# KiCad board nyx.kicad_pcb (continued)
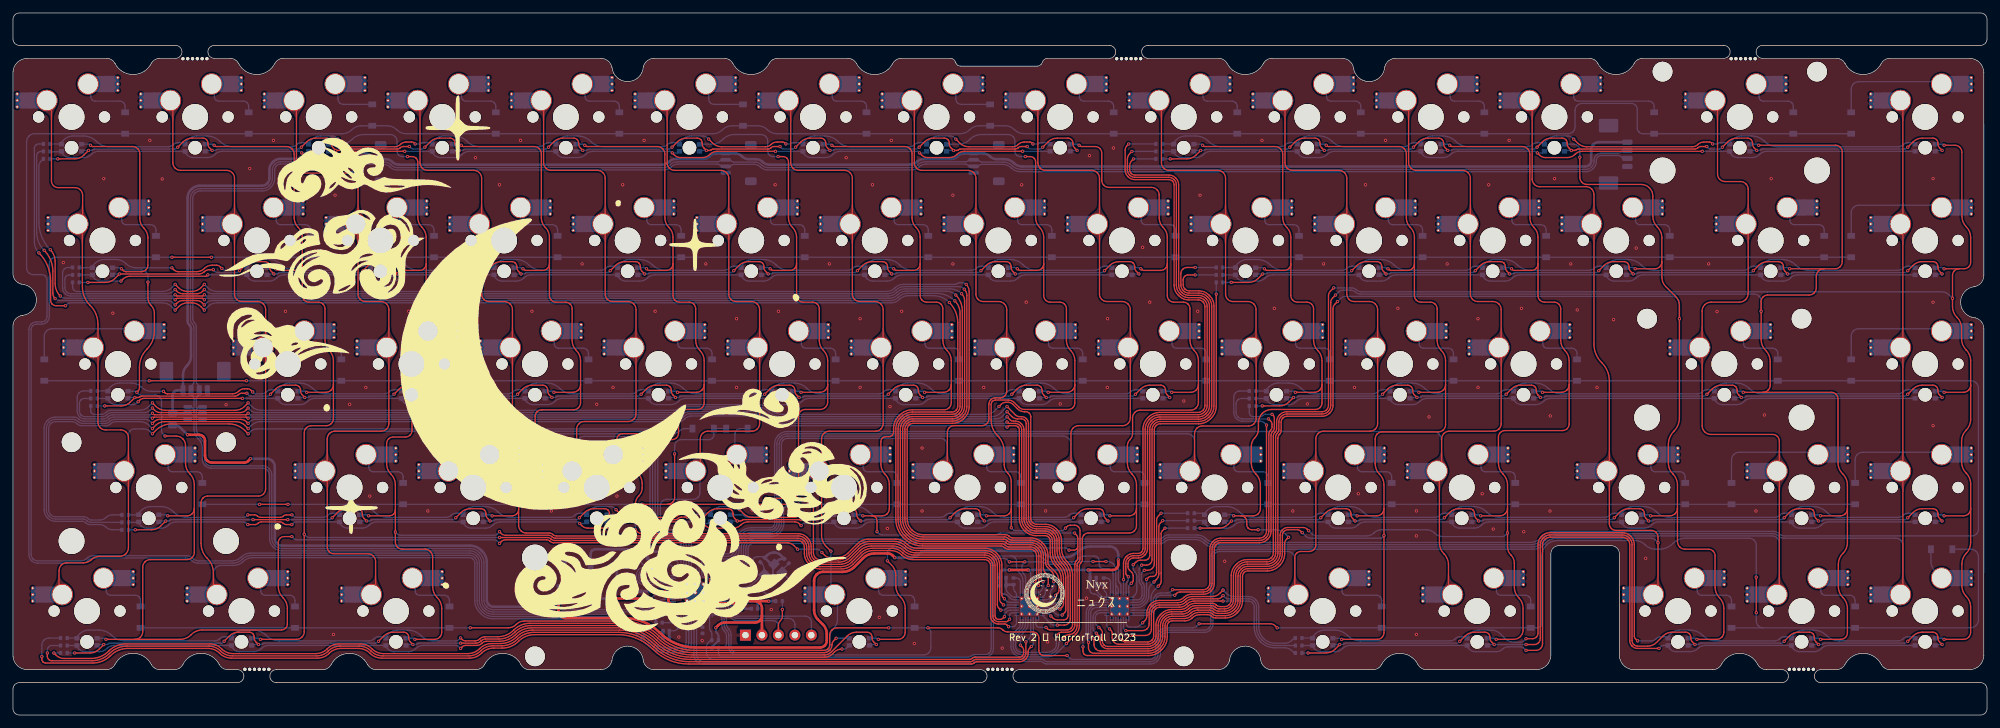
[diagram p0: board, top side]
## Routing (per net, layer and track width the routed paths; a pad name or vN(x,y) marks a point on that pad's centre or on a via; arc(x,y) is an arc through that point) (continued)
  Bottom w0.2: v1(297.4,87.07) 296.47,87.07 LED15.2 ; LED10.2 182.17,87.07 v1(183.1,87.07) 183.51,87.07 arc(183.64,87.1) 183.76,87.17 183.77,87.18 arc(183.88,87.26) 184.02,87.29 196.36,87.29 arc(196.55,87.33) 196.71,87.43 v1(196.85,87.57) ; LED13.2 239.32,87.07 v1(240.25,87.07) ; v1(292.1,87.57) 291.96,87.43 arc(291.8,87.33) 291.61,87.29 269.74,87.29 arc(269.61,87.26) 269.49,87.18 269.48,87.17 arc(269.37,87.1) 269.24,87.07 v1(268.83,87.07) 267.89,87.07 LED14.2 ; LED12.2 220.27,87.07 v1(221.2,87.07) 221.61,87.07 arc(221.74,87.1) 221.86,87.17 221.87,87.18 arc(221.98,87.26) 222.12,87.29 234.46,87.29 arc(234.65,87.33) 234.81,87.43 v1(234.95,87.57) ; v1(263.53,87.57) 263.39,87.43 arc(263.22,87.33) 263.03,87.29 261.72,87.29 arc(261.53,87.33) 261.36,87.43 v1(261.13,87.67) ; LED11.2 201.22,87.07 v1(202.15,87.07) 202.56,87.07 arc(202.69,87.1) 202.81,87.17 202.82,87.18 arc(202.93,87.26) 203.07,87.29 215.41,87.29 arc(215.6,87.33) 215.76,87.43 v1(215.9,87.57) ; R25.2 v1(178.4,85.77)
Net-(LED10-GK): length 120.8
  Top w0.2: v1(235,86.69) 235.35,86.34 arc(235.76,86.07) 236.24,85.97 239.64,85.97 arc(240.25,86.09) 240.77,86.44 240.8,86.47 arc(241.32,86.82) 241.93,86.94 v1(260.43,86.94)
  Bottom w0.2: R26.2 178.92,86.92 LED10.3 178.93,86.69 179.28,86.34 arc(179.69,86.07) 180.17,85.97 182.39,85.97 arc(183,86.09) 183.52,86.44 183.55,86.47 arc(184.07,86.82) 184.68,86.94 LED11.3 197.98,86.69 198.33,86.34 arc(198.74,86.07) 199.22,85.97 201.44,85.97 arc(202.05,86.09) 202.57,86.44 202.6,86.47 arc(203.12,86.82) 203.73,86.94 LED12.3 217.03,86.69 217.38,86.34 arc(217.79,86.07) 218.27,85.97 220.49,85.97 arc(221.1,86.09) 221.62,86.44 221.65,86.47 arc(222.17,86.82) 222.78,86.94 234.61,86.94 arc(234.74,86.91) 234.86,86.84 v1(235,86.69) 235.84,86.69 LED13.3 ; LED15.3 270.4,86.94 arc(269.79,86.82) 269.27,86.47 269.24,86.44 arc(268.72,86.09) 268.11,85.97 265.89,85.97 arc(265.41,86.07) 265.01,86.34 264.66,86.69 LED14.3 v1(260.43,86.94)
Net-(LED10-RK): length 122.9
  Top w0.2: v1(240.6,88.82) 241.2,88.22 arc(241.85,87.79) 242.61,87.64 258.88,87.64 arc(259.36,87.73) 259.76,88 259.76,88.01 arc(260.17,88.28) 260.65,88.37 261.52,88.37 arc(261.71,88.33) 261.87,88.23 v1(262.03,88.07)
  Bottom w0.2: R27.2 178.9,88.07 LED10.4 178.93,88.31 179.34,88.71 arc(179.99,89.15) 180.76,89.3 182.32,89.3 arc(183.39,89.09) 184.3,88.48 184.32,88.46 arc(185.23,87.85) 186.3,87.64 195.38,87.64 arc(195.78,87.72) 196.12,87.94 196.14,87.96 arc(196.48,88.19) 196.88,88.27 197.75,88.27 LED11.4 197.98,88.31 198.39,88.71 arc(199.04,89.15) 199.81,89.3 201.37,89.3 arc(202.44,89.09) 203.35,88.48 203.37,88.46 arc(204.28,87.85) 205.35,87.64 214.43,87.64 arc(214.83,87.72) 215.17,87.94 215.19,87.96 arc(215.53,88.19) 215.93,88.27 216.8,88.27 LED12.4 217.03,88.31 217.44,88.71 arc(218.09,89.15) 218.86,89.3 220.42,89.3 arc(221.49,89.09) 222.4,88.48 222.42,88.46 arc(223.33,87.85) 224.4,87.64 233.48,87.64 arc(233.88,87.72) 234.22,87.94 234.24,87.96 arc(234.58,88.19) 234.98,88.27 235.85,88.27 LED13.4 236.08,88.31 236.49,88.71 arc(237.14,89.15) 237.91,89.3 239.75,89.3 arc(240.09,89.23) 240.39,89.04 v1(240.6,88.82) ; v1(262.03,88.07) 262.7,88.07 arc(262.82,88.1) 262.91,88.16 262.94,88.18 arc(263.03,88.25) 263.15,88.27 264.43,88.27 LED14.4 264.66,88.31 265.07,88.71 arc(265.72,89.15) 266.48,89.3 268.04,89.3 arc(269.11,89.09) 270.02,88.48 270.05,88.46 arc(270.96,87.85) 272.03,87.64 290.63,87.64 arc(291.03,87.72) 291.37,87.94 291.39,87.96 arc(291.73,88.19) 292.13,88.27 293,88.27 LED15.4
Net-(LED16-BK): length 188.6
  Top w0.2: v1(111.13,68.52) 111.94,69.34 arc(112.59,69.77) 113.35,69.92 115.01,69.92 arc(115.3,69.87) 115.54,69.7 115.56,69.69 arc(115.72,69.45) 115.78,69.16 115.78,69.05 arc(115.84,68.7) 116.04,68.41 v1(116.43,68.02) ; v1(53.98,68.52) 54.79,69.34 arc(55.44,69.77) 56.2,69.92 57.86,69.92 arc(58.15,69.87) 58.39,69.7 58.41,69.69 arc(58.57,69.45) 58.63,69.16 58.63,69.05 arc(58.69,68.7) 58.89,68.41 v1(59.28,68.02) ; v1(78.33,68.02) 77.94,68.41 arc(77.74,68.7) 77.68,69.05 77.68,69.16 arc(77.62,69.45) 77.46,69.69 77.44,69.7 arc(77.2,69.87) 76.91,69.92 75.25,69.92 arc(74.49,69.77) 73.84,69.34 v1(73.03,68.52) ; v1(30.9,68.67) 30.25,68.67 arc(29.83,68.59) 29.47,68.35 29.47,68.34 arc(29.11,68.11) 28.69,68.02 v1(16.41,68.02) 15.7,67.31 arc(15.05,66.87) 14.28,66.72 v1(11.55,66.72) ; v1(154.53,68.02) 154.14,68.41 arc(153.94,68.7) 153.88,69.05 153.88,69.16 arc(153.82,69.45) 153.66,69.69 153.64,69.7 arc(153.4,69.87) 153.11,69.92 151.45,69.92 arc(150.69,69.77) 150.04,69.34 v1(149.23,68.52) ; v1(92.08,68.52) 92.89,69.34 arc(93.54,69.77) 94.3,69.92 95.96,69.92 arc(96.25,69.87) 96.49,69.7 96.51,69.69 arc(96.67,69.45) 96.73,69.16 96.73,69.05 arc(96.79,68.7) 96.99,68.41 v1(97.38,68.02) ; v1(40.23,68.02) 39.84,68.41 arc(39.64,68.7) 39.58,69.05 39.58,69.16 arc(39.52,69.45) 39.36,69.69 39.34,69.7 arc(39.1,69.87) 38.81,69.92 37.15,69.92 arc(36.39,69.77) 35.74,69.34 v1(34.93,68.52) ; v1(168.28,68.52) 169.09,69.34 arc(169.74,69.77) 170.5,69.92 172.16,69.92 arc(172.45,69.87) 172.69,69.7 172.71,69.69 arc(172.87,69.45) 172.93,69.16 172.93,69.05 arc(172.99,68.7) 173.19,68.41 v1(173.58,68.02) ; v1(130.18,68.52) 130.99,69.34 arc(131.64,69.77) 132.4,69.92 134.06,69.92 arc(134.35,69.87) 134.59,69.7 134.61,69.69 arc(134.77,69.45) 134.83,69.16 134.83,69.05 arc(134.89,68.7) 135.09,68.41 v1(135.48,68.02)
  Bottom w0.2: LED21.2 115.49,68.02 v1(116.43,68.02) 116.84,68.02 arc(116.97,68.05) 117.08,68.12 117.09,68.13 arc(117.21,68.21) 117.34,68.24 129.68,68.24 arc(129.87,68.28) 130.04,68.38 v1(130.18,68.52) ; v1(53.98,68.52) 53.84,68.38 arc(53.67,68.28) 53.48,68.24 41.14,68.24 arc(41.01,68.21) 40.89,68.13 40.88,68.12 arc(40.77,68.05) 40.64,68.02 v1(40.23,68.02) 39.29,68.02 LED17.2 ; LED20.2 96.44,68.02 v1(97.38,68.02) 97.79,68.02 arc(97.92,68.05) 98.03,68.12 98.04,68.13 arc(98.16,68.21) 98.29,68.24 110.63,68.24 arc(110.82,68.28) 110.99,68.38 v1(111.13,68.52) ; LED24.2 172.64,68.02 v1(173.58,68.02) ; LED19.2 77.39,68.02 v1(78.33,68.02) 78.74,68.02 arc(78.87,68.05) 78.98,68.12 78.99,68.13 arc(79.11,68.21) 79.24,68.24 91.58,68.24 arc(91.77,68.28) 91.94,68.38 v1(92.08,68.52) ; v1(73.03,68.52) 72.89,68.38 arc(72.72,68.28) 72.53,68.24 60.19,68.24 arc(60.06,68.21) 59.94,68.13 59.93,68.12 arc(59.82,68.05) 59.69,68.02 v1(59.28,68.02) 58.34,68.02 LED18.2 ; v1(149.23,68.52) 149.09,68.38 arc(148.92,68.28) 148.73,68.24 136.39,68.24 arc(136.26,68.21) 136.14,68.13 136.13,68.12 arc(136.02,68.05) 135.89,68.02 v1(135.48,68.02) 134.54,68.02 LED22.2 ; v1(30.9,68.67) 31.19,68.38 arc(31.35,68.28) 31.54,68.24 34.49,68.24 arc(34.63,68.26) 34.74,68.34 v1(34.93,68.52) ; LED16.2 15.48,68.02 v1(16.41,68.02) ; LED23.2 153.59,68.02 v1(154.53,68.02) 154.94,68.02 arc(155.07,68.05) 155.18,68.12 155.19,68.13 arc(155.31,68.21) 155.44,68.24 167.78,68.24 arc(167.97,68.28) 168.14,68.38 v1(168.28,68.52) ; R13.2 v1(11.55,66.72)
Net-(LED16-GK): length 165.3
  Top w0.2: v1(16.65,66.92) 16.93,67.2 arc(17.45,67.55) 18.06,67.67 29.73,67.67 arc(29.83,67.69) 29.91,67.75 v1(30.05,67.89)
  Bottom w0.2: LED24.3 156.1,67.89 arc(155.49,67.77) 154.97,67.42 154.94,67.39 arc(154.42,67.04) 153.81,66.92 151.59,66.92 arc(151.11,67.02) 150.71,67.29 150.36,67.64 LED23.3 137.05,67.89 arc(136.44,67.77) 135.92,67.42 135.89,67.39 arc(135.37,67.04) 134.76,66.92 132.54,66.92 arc(132.06,67.02) 131.66,67.29 131.31,67.64 LED22.3 118,67.89 arc(117.39,67.77) 116.87,67.42 116.84,67.39 arc(116.32,67.04) 115.71,66.92 113.49,66.92 arc(113.01,67.02) 112.61,67.29 112.26,67.64 LED21.3 98.95,67.89 arc(98.34,67.77) 97.82,67.42 97.79,67.39 arc(97.27,67.04) 96.66,66.92 94.44,66.92 arc(93.96,67.02) 93.56,67.29 93.21,67.64 LED20.3 79.9,67.89 arc(79.29,67.77) 78.77,67.42 78.74,67.39 arc(78.22,67.04) 77.61,66.92 75.39,66.92 arc(74.91,67.02) 74.51,67.29 74.16,67.64 LED19.3 60.85,67.89 arc(60.24,67.77) 59.72,67.42 59.69,67.39 arc(59.17,67.04) 58.56,66.92 56.34,66.92 arc(55.86,67.02) 55.46,67.29 55.11,67.64 LED18.3 41.8,67.89 arc(41.19,67.77) 40.67,67.42 40.64,67.39 arc(40.12,67.04) 39.51,66.92 37.29,66.92 arc(36.81,67.02) 36.41,67.29 36.06,67.64 LED17.3 v1(30.05,67.89) ; v1(16.65,66.92) 13.48,66.92 arc(13,67.02) 12.6,67.29 12.25,67.64 LED16.3 12.23,67.87 R14.2
Net-(LED16-RK): length 170.4
  Top w0.2: v1(32.2,68.87) 31.92,69.15 arc(31.68,69.32) 31.39,69.37 30.7,69.37 arc(30.05,69.24) 29.5,68.87 29.5,68.87 arc(28.95,68.5) 28.3,68.37 25.51,68.37 arc(25.13,68.45) 24.81,68.66 v1(24.5,68.97)
  Bottom w0.2: LED24.4 169.18,69.22 168.31,69.22 arc(167.91,69.14) 167.57,68.91 167.55,68.89 arc(167.21,68.67) 166.8,68.59 157.73,68.59 arc(156.66,68.8) 155.75,69.41 155.72,69.43 arc(154.81,70.04) 153.74,70.25 152.18,70.25 arc(151.42,70.1) 150.77,69.66 150.36,69.26 LED23.4 150.13,69.22 149.26,69.22 arc(148.86,69.14) 148.52,68.91 148.5,68.89 arc(148.16,68.67) 147.75,68.59 138.68,68.59 arc(137.61,68.8) 136.7,69.41 136.67,69.43 arc(135.76,70.04) 134.69,70.25 133.13,70.25 arc(132.37,70.1) 131.72,69.66 131.31,69.26 LED22.4 131.08,69.22 130.21,69.22 arc(129.81,69.14) 129.47,68.91 129.45,68.89 arc(129.11,68.67) 128.7,68.59 119.63,68.59 arc(118.56,68.8) 117.65,69.41 117.62,69.43 arc(116.71,70.04) 115.64,70.25 114.08,70.25 arc(113.32,70.1) 112.67,69.66 112.26,69.26 LED21.4 112.03,69.22 111.16,69.22 arc(110.76,69.14) 110.42,68.91 110.4,68.89 arc(110.06,68.67) 109.65,68.59 100.58,68.59 arc(99.51,68.8) 98.6,69.41 98.57,69.43 arc(97.66,70.04) 96.59,70.25 95.03,70.25 arc(94.27,70.1) 93.62,69.66 93.21,69.26 LED20.4 92.98,69.22 92.11,69.22 arc(91.71,69.14) 91.37,68.91 91.35,68.89 arc(91.01,68.67) 90.6,68.59 81.53,68.59 arc(80.46,68.8) 79.55,69.41 79.52,69.43 arc(78.61,70.04) 77.54,70.25 75.98,70.25 arc(75.22,70.1) 74.57,69.66 74.16,69.26 LED19.4 73.93,69.22 73.06,69.22 arc(72.66,69.14) 72.32,68.91 72.3,68.89 arc(71.96,68.67) 71.55,68.59 62.48,68.59 arc(61.41,68.8) 60.5,69.41 60.47,69.43 arc(59.56,70.04) 58.49,70.25 56.93,70.25 arc(56.17,70.1) 55.52,69.66 55.11,69.26 LED18.4 54.88,69.22 54.01,69.22 arc(53.61,69.14) 53.27,68.91 53.25,68.89 arc(52.91,68.67) 52.5,68.59 43.43,68.59 arc(42.36,68.8) 41.45,69.41 41.42,69.43 arc(40.51,70.04) 39.44,70.25 37.88,70.25 arc(37.12,70.1) 36.47,69.66 36.06,69.26 LED17.4 35.83,69.22 35.08,69.22 arc(34.68,69.14) 34.34,68.91 34.32,68.89 arc(33.98,68.67) 33.58,68.59 32.63,68.59 arc(32.5,68.61) 32.38,68.69 v1(32.2,68.87) ; R15.2 10.24,68.99 LED16.4 12.25,69.26 12.65,69.66 arc(13.3,70.1) 14.07,70.25 15.9,70.25 arc(16.72,70.09) 17.42,69.62 17.44,69.6 arc(18.14,69.14) 18.96,68.97 v1(24.5,68.97)
Net-(LED25-BK): length 127.1
  Top w0.2: v1(230.73,68.02) 230.34,68.41 arc(230.14,68.7) 230.08,69.05 230.08,69.16 arc(230.02,69.45) 229.86,69.69 229.84,69.7 arc(229.6,69.87) 229.31,69.92 227.65,69.92 arc(226.89,69.77) 226.24,69.34 v1(225.43,68.52) ; v1(268.29,68.52) 269.1,69.34 arc(269.75,69.77) 270.52,69.92 272.18,69.92 arc(272.46,69.87) 272.71,69.7 272.72,69.69 arc(272.88,69.45) 272.94,69.16 272.94,69.05 arc(273.01,68.7) 273.2,68.41 v1(273.59,68.02) ; v1(292.1,68.52) 292.91,69.34 arc(293.56,69.77) 294.33,69.92 295.99,69.92 arc(296.28,69.87) 296.52,69.7 296.53,69.69 arc(296.69,69.45) 296.75,69.16 296.75,69.05 arc(296.82,68.7) 297.01,68.41 v1(297.4,68.02) ; v1(244.48,68.52) 245.29,69.34 arc(245.94,69.77) 246.7,69.92 248.36,69.92 arc(248.65,69.87) 248.89,69.7 248.91,69.69 arc(249.07,69.45) 249.13,69.16 249.13,69.05 arc(249.19,68.7) 249.39,68.41 v1(249.78,68.02) ; v1(206.38,68.52) 207.19,69.34 arc(207.84,69.77) 208.6,69.92 210.26,69.92 arc(210.55,69.87) 210.79,69.7 210.81,69.69 arc(210.97,69.45) 211.03,69.16 211.03,69.05 arc(211.09,68.7) 211.29,68.41 v1(211.68,68.02) ; v1(187.8,66.72) 190.52,66.72 arc(191.29,66.87) 191.94,67.31 v1(192.65,68.02)
  Bottom w0.2: LED25.2 191.69,68.02 v1(192.65,68.02) 193.04,68.02 arc(193.17,68.05) 193.28,68.12 193.29,68.13 arc(193.41,68.21) 193.54,68.24 205.88,68.24 arc(206.07,68.28) 206.24,68.38 v1(206.38,68.52) ; LED27.2 229.79,68.02 v1(230.73,68.02) 231.14,68.02 arc(231.27,68.05) 231.38,68.12 231.39,68.13 arc(231.51,68.21) 231.64,68.24 243.98,68.24 arc(244.17,68.28) 244.34,68.38 v1(244.48,68.52) ; v1(225.43,68.52) 225.29,68.38 arc(225.12,68.28) 224.93,68.24 212.59,68.24 arc(212.46,68.21) 212.34,68.13 212.33,68.12 arc(212.22,68.05) 212.09,68.02 v1(211.68,68.02) 210.74,68.02 LED26.2 ; R28.2 v1(187.8,66.72) ; LED30.2 296.47,68.02 v1(297.4,68.02) ; v1(268.29,68.52) 268.15,68.38 arc(267.99,68.28) 267.8,68.24 250.69,68.24 arc(250.56,68.21) 250.44,68.13 250.43,68.12 arc(250.32,68.05) 250.19,68.02 v1(249.78,68.02) 248.84,68.02 LED28.2 ; v1(292.1,68.52) 291.96,68.38 arc(291.8,68.28) 291.61,68.24 274.5,68.24 arc(274.37,68.21) 274.26,68.13 274.25,68.12 arc(274.13,68.05) 274,68.02 v1(273.59,68.02) 272.66,68.02 LED29.2
Net-(LED25-GK): length 110.4
  Bottom w0.2: 186.66,67.87 188.44,67.87 LED25.3 188.46,67.64 188.81,67.29 arc(189.21,67.02) 189.69,66.92 191.91,66.92 arc(192.52,67.04) 193.04,67.39 193.07,67.42 arc(193.59,67.77) 194.2,67.89 LED26.3 207.51,67.64 207.86,67.29 arc(208.26,67.02) 208.74,66.92 210.96,66.92 arc(211.57,67.04) 212.09,67.39 212.12,67.42 arc(212.64,67.77) 213.25,67.89 LED27.3 226.56,67.64 226.91,67.29 arc(227.31,67.02) 227.79,66.92 230.01,66.92 arc(230.62,67.04) 231.14,67.39 231.17,67.42 arc(231.69,67.77) 232.3,67.89 LED28.3 245.61,67.64 245.96,67.29 arc(246.36,67.02) 246.84,66.92 249.06,66.92 arc(249.67,67.04) 250.19,67.39 250.22,67.42 arc(250.74,67.77) 251.35,67.89 LED29.3 269.42,67.64 269.77,67.29 arc(270.18,67.02) 270.66,66.92 272.87,66.92 arc(273.49,67.04) 274.01,67.39 274.03,67.42 arc(274.55,67.77) 275.17,67.89 LED30.3
Net-(LED25-RK): length 113.2
  Bottom w0.2: 186.66,69.02 188.43,69.02 LED25.4 188.46,69.26 188.87,69.66 arc(189.52,70.1) 190.28,70.25 191.84,70.25 arc(192.91,70.04) 193.82,69.43 193.85,69.41 arc(194.76,68.8) 195.83,68.59 204.9,68.59 arc(205.31,68.67) 205.65,68.89 205.67,68.91 arc(206.01,69.14) 206.41,69.22 207.28,69.22 LED26.4 207.51,69.26 207.92,69.66 arc(208.57,70.1) 209.33,70.25 210.89,70.25 arc(211.96,70.04) 212.87,69.43 212.9,69.41 arc(213.81,68.8) 214.88,68.59 223.95,68.59 arc(224.36,68.67) 224.7,68.89 224.72,68.91 arc(225.06,69.14) 225.46,69.22 226.33,69.22 LED27.4 226.56,69.26 226.97,69.66 arc(227.62,70.1) 228.38,70.25 229.94,70.25 arc(231.01,70.04) 231.92,69.43 231.95,69.41 arc(232.86,68.8) 233.93,68.59 243,68.59 arc(243.41,68.67) 243.75,68.89 243.77,68.91 arc(244.11,69.14) 244.51,69.22 245.38,69.22 LED28.4 245.61,69.26 246.02,69.66 arc(246.67,70.1) 247.43,70.25 248.99,70.25 arc(250.06,70.04) 250.97,69.43 251,69.41 arc(251.91,68.8) 252.98,68.59 266.82,68.59 arc(267.22,68.67) 267.56,68.89 267.58,68.91 arc(267.92,69.14) 268.32,69.22 269.19,69.22 LED29.4 269.42,69.26 269.83,69.66 arc(270.48,70.1) 271.24,70.25 272.81,70.25 arc(273.88,70.04) 274.79,69.43 274.81,69.41 arc(275.72,68.8) 276.79,68.59 290.63,68.59 arc(291.03,68.67) 291.37,68.89 291.39,68.91 arc(291.73,69.14) 292.13,69.22 293,69.22 LED30.4
Net-(LED31-BK): length 190.6
  Top w0.2: v1(102.14,48.97) 101.75,49.36 arc(101.56,49.65) 101.49,50 101.49,50.11 arc(101.43,50.4) 101.27,50.64 101.26,50.65 arc(101.01,50.82) 100.73,50.87 99.07,50.87 arc(98.3,50.72) 97.65,50.29 v1(96.84,49.47) ; v1(159.29,48.97) 158.9,49.36 arc(158.71,49.65) 158.64,50 158.64,50.11 arc(158.58,50.4) 158.42,50.64 158.41,50.65 arc(158.16,50.82) 157.88,50.87 156.22,50.87 arc(155.45,50.72) 154.8,50.29 v1(153.99,49.47) ; v1(178.34,48.97) 177.95,49.36 arc(177.76,49.65) 177.69,50 177.69,50.11 arc(177.63,50.4) 177.47,50.64 177.46,50.65 arc(177.21,50.82) 176.93,50.87 175.27,50.87 arc(174.5,50.72) 173.85,50.29 v1(173.04,49.47) ; v1(58.74,49.47) 59.55,50.29 arc(60.2,50.72) 60.97,50.87 62.63,50.87 arc(62.91,50.82) 63.16,50.65 63.17,50.64 arc(63.33,50.4) 63.39,50.11 63.39,50 arc(63.46,49.65) 63.65,49.36 v1(64.04,48.97) ; v1(140.24,48.97) 139.85,49.36 arc(139.66,49.65) 139.59,50 139.59,50.11 arc(139.53,50.4) 139.37,50.64 139.36,50.65 arc(139.11,50.82) 138.83,50.87 137.17,50.87 arc(136.4,50.72) 135.75,50.29 v1(134.94,49.47) ; v1(44.99,48.97) 44.6,49.36 arc(44.41,49.65) 44.34,50 44.34,50.11 arc(44.28,50.4) 44.12,50.64 44.11,50.65 arc(43.86,50.82) 43.58,50.87 41.92,50.87 arc(41.15,50.72) 40.5,50.29 v1(39.69,49.47) ; v1(83.09,48.97) 82.7,49.36 arc(82.51,49.65) 82.44,50 82.44,50.11 arc(82.38,50.4) 82.22,50.64 82.21,50.65 arc(81.96,50.82) 81.68,50.87 80.02,50.87 arc(79.25,50.72) 78.6,50.29 v1(77.79,49.47) ; v1(14.15,47.67) 16.67,47.67 arc(17.43,47.82) 18.08,48.26 v1(18.79,48.97) 19.31,48.97 arc(19.44,49) 19.56,49.07 19.57,49.08 arc(19.68,49.16) 19.82,49.19 34.24,49.19 arc(34.51,49.24) 34.73,49.39 34.76,49.42 arc(34.98,49.57) 35.25,49.62 v1(36.06,49.62) ; v1(115.89,49.47) 116.7,50.29 arc(117.35,50.72) 118.12,50.87 119.78,50.87 arc(120.06,50.82) 120.31,50.65 120.32,50.64 arc(120.48,50.4) 120.54,50.11 120.54,50 arc(120.61,49.65) 120.8,49.36 v1(121.19,48.97)
  Bottom w0.2: v1(36.06,49.62) 36.35,49.33 arc(36.51,49.23) 36.7,49.19 39.26,49.19 arc(39.39,49.21) 39.5,49.29 v1(39.69,49.47) ; LED38.2 158.36,48.97 v1(159.29,48.97) 159.7,48.97 arc(159.83,49) 159.95,49.07 159.96,49.08 arc(160.07,49.16) 160.2,49.19 172.55,49.19 arc(172.74,49.23) 172.9,49.33 v1(173.04,49.47) ; LED39.2 177.41,48.97 v1(178.34,48.97) ; LED31.2 17.86,48.97 v1(18.79,48.97) ; LED37.2 139.31,48.97 v1(140.24,48.97) 140.65,48.97 arc(140.78,49) 140.9,49.07 140.91,49.08 arc(141.02,49.16) 141.15,49.19 153.5,49.19 arc(153.69,49.23) 153.85,49.33 v1(153.99,49.47) ; v1(96.84,49.47) 96.7,49.33 arc(96.54,49.23) 96.35,49.19 84,49.19 arc(83.87,49.16) 83.76,49.08 83.75,49.07 arc(83.63,49) 83.5,48.97 v1(83.09,48.97) 82.16,48.97 LED34.2 ; v1(134.94,49.47) 134.8,49.33 arc(134.64,49.23) 134.45,49.19 122.1,49.19 arc(121.97,49.16) 121.86,49.08 121.85,49.07 arc(121.73,49) 121.6,48.97 v1(121.19,48.97) 120.26,48.97 LED36.2 ; R16.2 v1(14.15,47.67) ; LED33.2 63.11,48.97 v1(64.04,48.97) 64.45,48.97 arc(64.58,49) 64.7,49.07 64.71,49.08 arc(64.82,49.16) 64.95,49.19 77.3,49.19 arc(77.49,49.23) 77.65,49.33 v1(77.79,49.47) ; v1(58.74,49.47) 58.6,49.33 arc(58.44,49.23) 58.25,49.19 45.9,49.19 arc(45.77,49.16) 45.66,49.08 45.65,49.07 arc(45.53,49) 45.4,48.97 v1(44.99,48.97) 44.06,48.97 LED32.2 ; LED35.2 101.21,48.97 v1(102.14,48.97) 102.55,48.97 arc(102.68,49) 102.8,49.07 102.81,49.08 arc(102.92,49.16) 103.05,49.19 115.4,49.19 arc(115.59,49.23) 115.75,49.33 v1(115.89,49.47)
Net-(LED31-GK): length 167.3
  Top w0.2: v1(35.36,48.84) 20.23,48.84 arc(19.85,48.76) 19.52,48.54 v1(19.3,48.32)
  Bottom w0.2: R17.2 14.61,48.82 LED31.3 14.63,48.59 14.98,48.24 arc(15.38,47.97) 15.86,47.87 18.44,47.87 arc(18.82,47.95) 19.14,48.17 v1(19.3,48.32) ; v1(35.36,48.84) LED32.3 40.82,48.59 41.17,48.24 arc(41.58,47.97) 42.06,47.87 44.27,47.87 arc(44.89,47.99) 45.41,48.34 45.43,48.37 arc(45.95,48.72) 46.57,48.84 LED33.3 59.87,48.59 60.22,48.24 arc(60.63,47.97) 61.11,47.87 63.32,47.87 arc(63.94,47.99) 64.46,48.34 64.48,48.37 arc(65,48.72) 65.62,48.84 LED34.3 78.92,48.59 79.27,48.24 arc(79.68,47.97) 80.16,47.87 82.37,47.87 arc(82.99,47.99) 83.51,48.34 83.53,48.37 arc(84.05,48.72) 84.67,48.84 LED35.3 97.97,48.59 98.32,48.24 arc(98.73,47.97) 99.21,47.87 101.42,47.87 arc(102.04,47.99) 102.56,48.34 102.58,48.37 arc(103.1,48.72) 103.72,48.84 LED36.3 117.02,48.59 117.37,48.24 arc(117.78,47.97) 118.26,47.87 120.47,47.87 arc(121.09,47.99) 121.61,48.34 121.63,48.37 arc(122.15,48.72) 122.77,48.84 LED37.3 136.07,48.59 136.42,48.24 arc(136.83,47.97) 137.31,47.87 139.52,47.87 arc(140.14,47.99) 140.66,48.34 140.68,48.37 arc(141.2,48.72) 141.82,48.84 LED38.3 155.12,48.59 155.47,48.24 arc(155.88,47.97) 156.36,47.87 158.57,47.87 arc(159.19,47.99) 159.71,48.34 159.73,48.37 arc(160.25,48.72) 160.87,48.84 LED39.3
Net-(LED31-RK): length 172.2
  Top w0.2: v1(23.2,49.92) 23.44,49.68 arc(23.6,49.57) 23.79,49.54 33.84,49.54 arc(34.34,49.64) 34.76,49.92 34.79,49.94 arc(35.21,50.22) 35.71,50.32 36.15,50.32 arc(36.44,50.27) 36.68,50.1 v1(36.96,49.82)
  Bottom w0.2: v1(36.96,49.82) 37.15,49.64 arc(37.26,49.56) 37.39,49.54 38.34,49.54 arc(38.74,49.62) 39.08,49.84 39.1,49.86 arc(39.45,50.09) 39.85,50.17 40.59,50.17 LED32.4 40.82,50.21 41.23,50.61 arc(41.88,51.05) 42.64,51.2 44.21,51.2 arc(45.28,50.99) 46.19,50.38 46.21,50.36 arc(47.12,49.75) 48.19,49.54 57.27,49.54 arc(57.67,49.62) 58.01,49.84 58.03,49.86 arc(58.37,50.09) 58.77,50.17 59.64,50.17 LED33.4 59.87,50.21 60.28,50.61 arc(60.93,51.05) 61.69,51.2 63.26,51.2 arc(64.33,50.99) 65.24,50.38 65.26,50.36 arc(66.17,49.75) 67.24,49.54 76.32,49.54 arc(76.72,49.62) 77.06,49.84 77.08,49.86 arc(77.42,50.09) 77.82,50.17 78.69,50.17 LED34.4 78.92,50.21 79.33,50.61 arc(79.98,51.05) 80.74,51.2 82.31,51.2 arc(83.38,50.99) 84.29,50.38 84.31,50.36 arc(85.22,49.75) 86.29,49.54 95.37,49.54 arc(95.77,49.62) 96.11,49.84 96.13,49.86 arc(96.47,50.09) 96.87,50.17 97.74,50.17 LED35.4 97.97,50.21 98.38,50.61 arc(99.03,51.05) 99.79,51.2 101.36,51.2 arc(102.43,50.99) 103.34,50.38 103.36,50.36 arc(104.27,49.75) 105.34,49.54 114.42,49.54 arc(114.82,49.62) 115.16,49.84 115.18,49.86 arc(115.52,50.09) 115.92,50.17 116.79,50.17 LED36.4 117.02,50.21 117.43,50.61 arc(118.08,51.05) 118.84,51.2 120.41,51.2 arc(121.48,50.99) 122.39,50.38 122.41,50.36 arc(123.32,49.75) 124.39,49.54 133.47,49.54 arc(133.87,49.62) 134.21,49.84 134.23,49.86 arc(134.57,50.09) 134.97,50.17 135.84,50.17 LED37.4 136.07,50.21 136.48,50.61 arc(137.13,51.05) 137.89,51.2 139.46,51.2 arc(140.53,50.99) 141.44,50.38 141.46,50.36 arc(142.37,49.75) 143.44,49.54 152.52,49.54 arc(152.92,49.62) 153.26,49.84 153.28,49.86 arc(153.62,50.09) 154.02,50.17 154.89,50.17 LED38.4 155.12,50.21 155.53,50.61 arc(156.18,51.05) 156.94,51.2 158.51,51.2 arc(159.58,50.99) 160.49,50.38 160.51,50.36 arc(161.42,49.75) 162.49,49.54 171.57,49.54 arc(171.97,49.62) 172.31,49.84 172.33,49.86 arc(172.67,50.09) 173.07,50.17 173.94,50.17 LED39.4 ; R18.2 14.58,49.98 LED31.4 14.63,50.21 15.04,50.61 arc(15.68,51.05) 16.45,51.2 18.28,51.2 arc(19.1,51.04) 19.8,50.57 19.82,50.55 arc(20.52,50.09) 21.34,49.92 v1(23.2,49.92)
Net-(LED40-BK): length 119.1
  Top w0.2: v1(197.4,48.97) 196.69,48.26 arc(196.04,47.82) 195.27,47.67 v1(192.6,47.67) ; v1(292.1,49.47) 292.91,50.29 arc(293.56,50.72) 294.33,50.87 295.99,50.87 arc(296.28,50.82) 296.52,50.65 296.53,50.64 arc(296.69,50.4) 296.75,50.11 296.75,50 arc(296.82,49.65) 297.01,49.36 v1(297.4,48.97) ; v1(230.19,49.47) 231,50.29 arc(231.65,50.72) 232.42,50.87 234.08,50.87 arc(234.36,50.82) 234.61,50.65 234.62,50.64 arc(234.78,50.4) 234.84,50.11 234.84,50 arc(234.91,49.65) 235.1,49.36 v1(235.49,48.97) ; v1(261.14,49.47) 261.96,50.29 arc(262.61,50.72) 263.37,50.87 265.03,50.87 arc(265.32,50.82) 265.56,50.65 265.57,50.64 arc(265.74,50.4) 265.79,50.11 265.79,50 arc(265.86,49.65) 266.06,49.36 v1(266.44,48.97) ; v1(216.44,48.97) 216.05,49.36 arc(215.86,49.65) 215.79,50 215.79,50.11 arc(215.73,50.4) 215.57,50.64 215.56,50.65 arc(215.31,50.82) 215.03,50.87 213.37,50.87 arc(212.6,50.72) 211.95,50.29 v1(211.14,49.47)
  Bottom w0.2: LED40.2 196.46,48.97 v1(197.4,48.97) 197.8,48.97 arc(197.93,49) 198.05,49.07 198.06,49.08 arc(198.17,49.16) 198.3,49.19 210.65,49.19 arc(210.84,49.23) 211,49.33 v1(211.14,49.47) ; LED41.2 215.51,48.97 v1(216.44,48.97) 216.85,48.97 arc(216.98,49) 217.1,49.07 217.11,49.08 arc(217.22,49.16) 217.35,49.19 229.7,49.19 arc(229.89,49.23) 230.05,49.33 v1(230.19,49.47) ; v1(192.6,47.67) R31.2 ; v1(292.1,49.47) 291.96,49.33 arc(291.8,49.23) 291.61,49.19 267.36,49.19 arc(267.23,49.16) 267.11,49.08 267.1,49.07 arc(266.99,49) 266.85,48.97 v1(266.44,48.97) 265.51,48.97 LED43.2 ; v1(261.14,49.47) 261,49.33 arc(260.84,49.23) 260.65,49.19 236.4,49.19 arc(236.27,49.16) 236.16,49.08 236.15,49.07 arc(236.03,49) 235.9,48.97 v1(235.49,48.97) 234.56,48.97 LED42.2 ; LED44.2 296.47,48.97 v1(297.4,48.97)
Net-(LED40-GK): length 104.6
  Bottom w0.2: LED44.3 268.02,48.84 arc(267.41,48.72) 266.89,48.37 266.86,48.34 arc(266.34,47.99) 265.73,47.87 263.51,47.87 arc(263.03,47.97) 262.63,48.24 262.28,48.59 LED43.3 237.07,48.84 arc(236.45,48.72) 235.93,48.37 235.91,48.34 arc(235.39,47.99) 234.77,47.87 232.56,47.87 arc(232.08,47.97) 231.67,48.24 231.32,48.59 LED42.3 218.02,48.84 arc(217.4,48.72) 216.88,48.37 216.86,48.34 arc(216.34,47.99) 215.72,47.87 213.51,47.87 arc(213.03,47.97) 212.62,48.24 212.27,48.59 LED41.3 198.97,48.84 arc(198.35,48.72) 197.83,48.37 197.81,48.34 arc(197.29,47.99) 196.67,47.87 194.46,47.87 arc(193.98,47.97) 193.57,48.24 193.22,48.59 LED40.3 193.21,48.82 R32.2
Net-(LED40-RK): length 106.9
  Bottom w0.2: R33.2 193.19,49.97 LED40.4 193.22,50.21 193.63,50.61 arc(194.28,51.05) 195.04,51.2 196.61,51.2 arc(197.68,50.99) 198.59,50.38 198.61,50.36 arc(199.52,49.75) 200.59,49.54 209.67,49.54 arc(210.07,49.62) 210.41,49.84 210.43,49.86 arc(210.77,50.09) 211.17,50.17 212.04,50.17 LED41.4 212.27,50.21 212.68,50.61 arc(213.33,51.05) 214.09,51.2 215.66,51.2 arc(216.73,50.99) 217.64,50.38 217.66,50.36 arc(218.57,49.75) 219.64,49.54 228.72,49.54 arc(229.12,49.62) 229.46,49.84 229.48,49.86 arc(229.82,50.09) 230.22,50.17 231.09,50.17 LED42.4 231.32,50.21 231.73,50.61 arc(232.38,51.05) 233.14,51.2 234.71,51.2 arc(235.78,50.99) 236.69,50.38 236.71,50.36 arc(237.62,49.75) 238.69,49.54 259.67,49.54 arc(260.07,49.62) 260.42,49.84 260.44,49.86 arc(260.78,50.09) 261.18,50.17 262.04,50.17 LED43.4 262.28,50.21 262.69,50.61 arc(263.33,51.05) 264.1,51.2 265.66,51.2 arc(266.73,50.99) 267.64,50.38 267.67,50.36 arc(268.57,49.75) 269.65,49.54 290.63,49.54 arc(291.03,49.62) 291.37,49.84 291.39,49.86 arc(291.73,50.09) 292.13,50.17 293,50.17 LED44.4
